# Altium PCB WeatherMonitor.PcbDoc (part 2 of 2)
Units mm, origin at the board's own origin, x right, y up, seen from the top; angles counter-clockwise.
Board outline 120 x 80 mm, 4 copper layers (Top Layer, gnd, vcc, Bottom Layer), stack 1.569 mm thick; 194 components, 159 nets, 694 pads, 236 vias.
Unrouted connection lines stored in the file: 1.
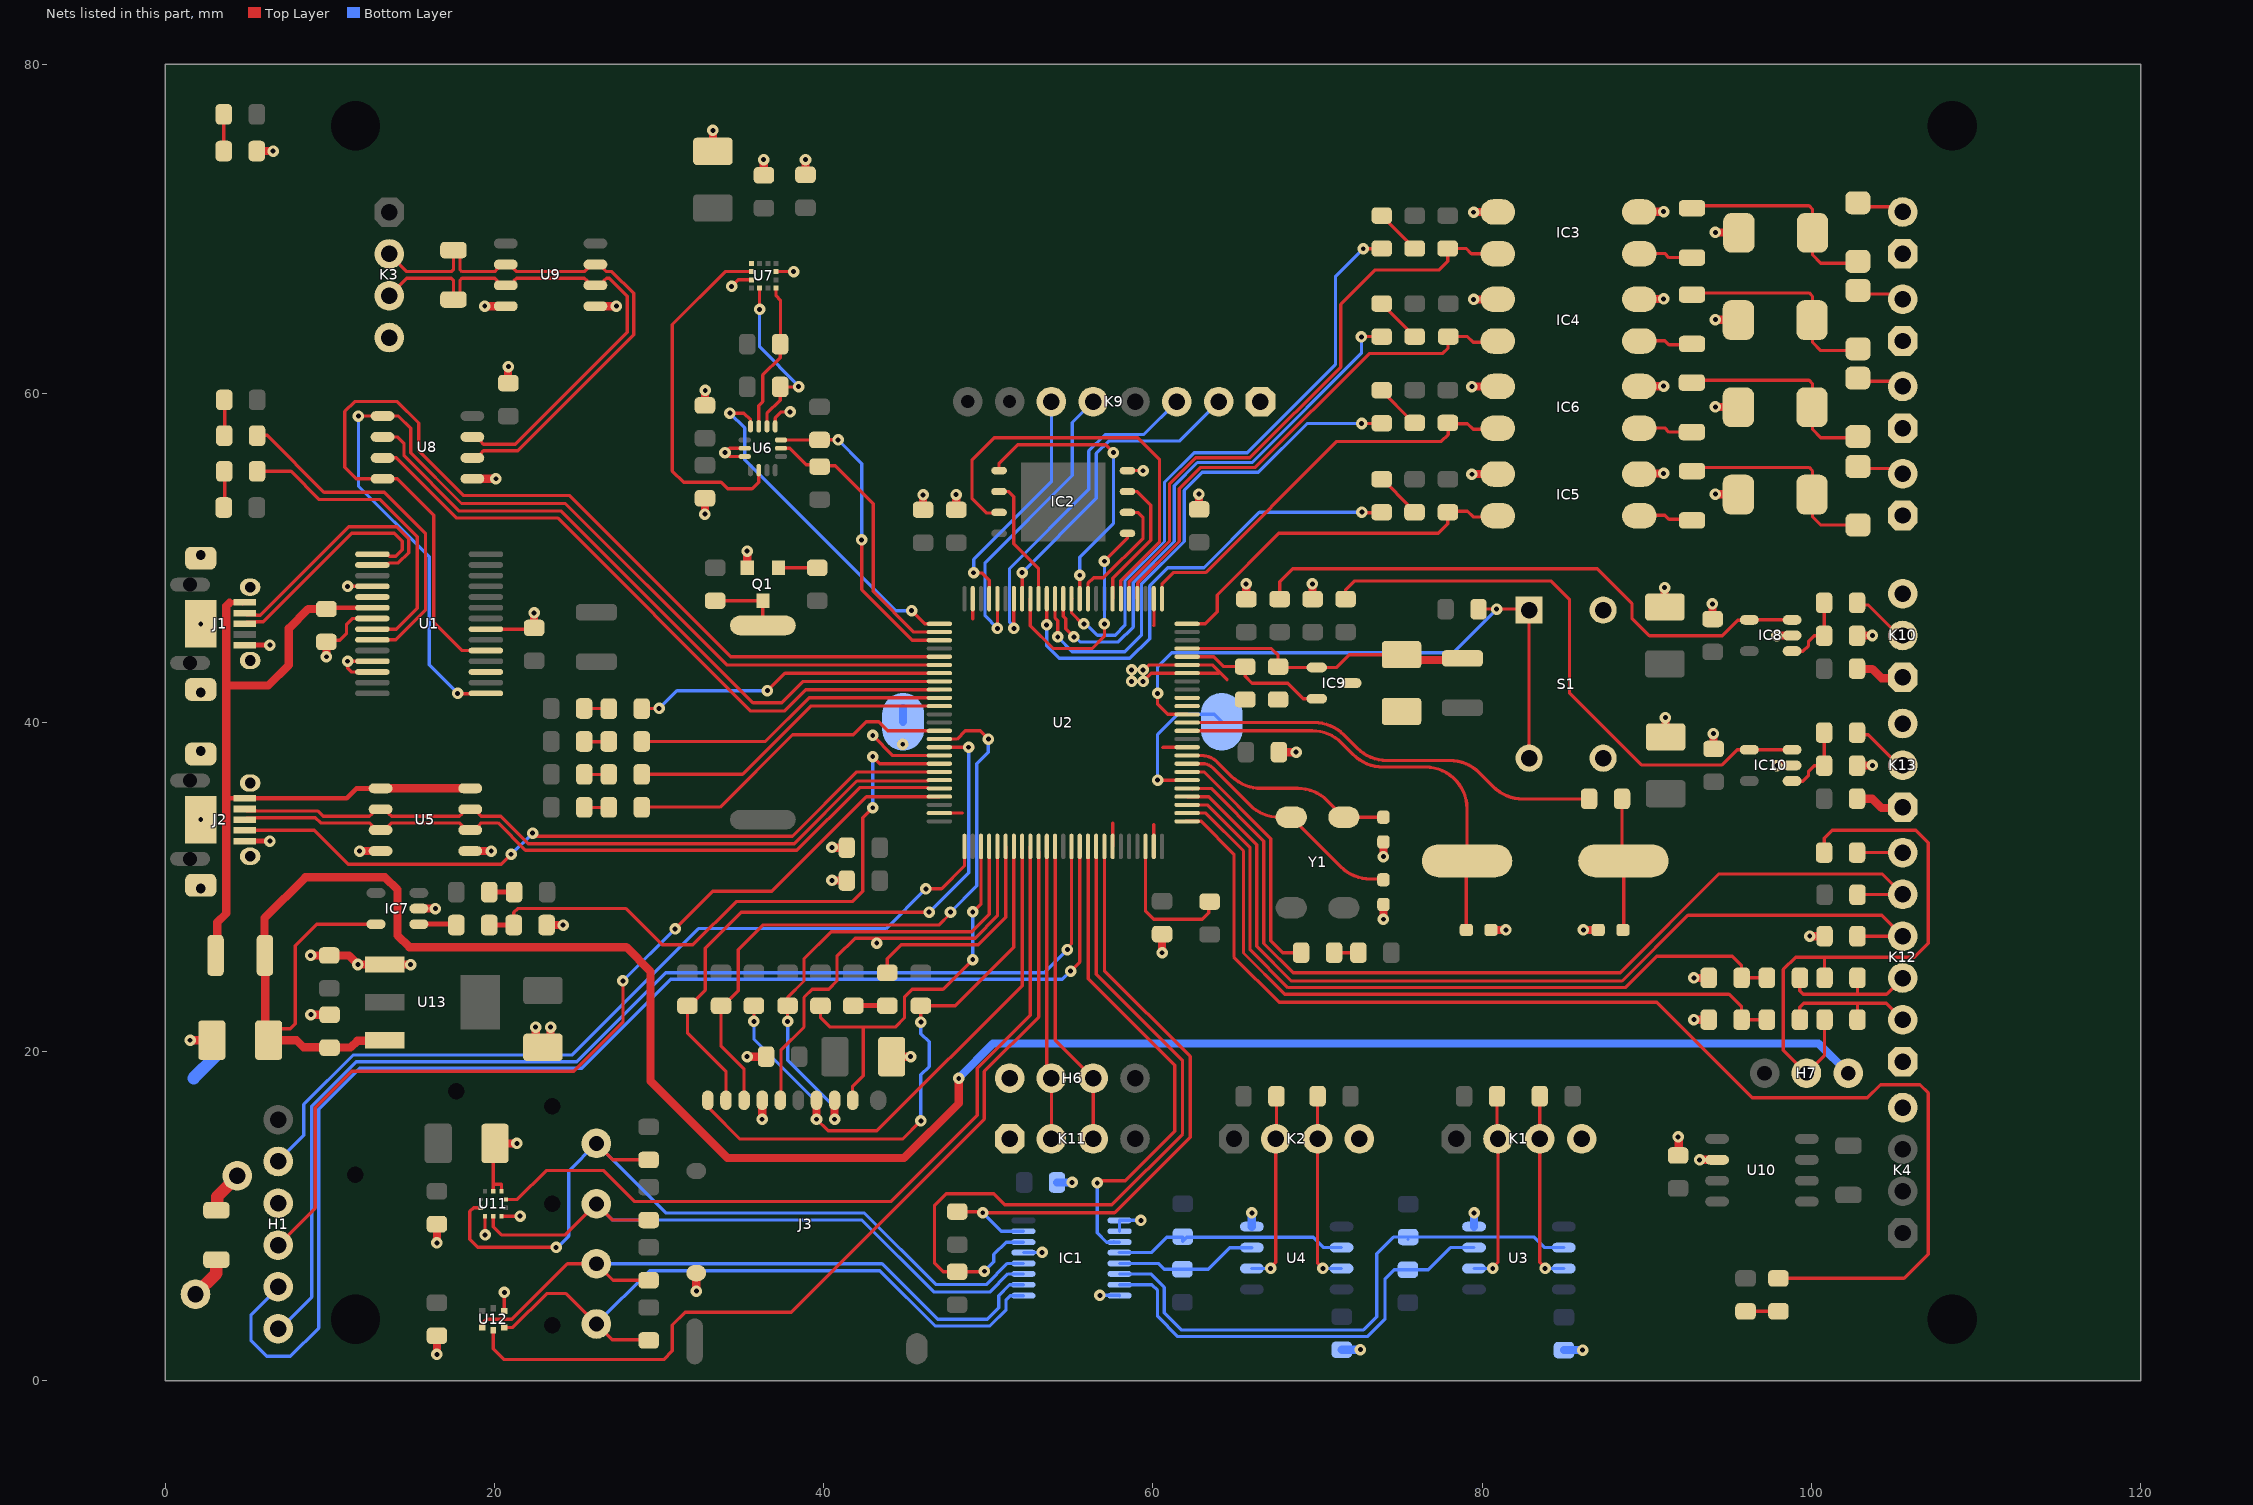
[diagram p4: the nets of this part, all layers, seen from the top]

## Via types
v1: diameter 0.7, hole 0.3, Top Layer to Bottom Layer, tented both sides, 236 vias

## Nets (pads, with @x,y where several pads share a name; then routed paths per layer and width w, separated by ;. In a path a pad name is that pad's centre, name@x,y a point inside that pad or via, vN(x,y) a via of type N, cw(c..) or ccw(c..) an arc to the next point about the centre after c; other vN are vias at no path point) (continued)
Gnd: C1.2 C2.1 C3.1 C4.2 C5.2 C6.2 C7.2 C8.2 C9.2 C10.2 C11.2 C12.2 C13.2 C14.2 C15.2 C16.2 C17.2 C18.2 C19.2 C20.2 C21.2 C22.2 C23.2 C24.2 C25.2 C26.2 C27.2 C28.2 C29.2 C30.2 C31.2 C32.2 C33.2 C34.2 C35.2 C36.2 C37.2 C38.2 C39.2 C40.2 C41.2 C42.2 C43.2 C44.2 D16.1 D17.1 D20.1 D21.1 H1.4 H6.1 IC1.1 IC1.2 IC1.8 IC1.13 IC2.4 IC3.2 IC3.3 IC4.2 IC4.3 IC5.2 IC5.3 IC6.2 IC6.3 IC7.2 IC8.2 IC9.3 IC10.2 J1.5 J2.5 J3.6 J3.9 K1.4 K2.4 K3.4 K4.4 K5.1 K6.1 K7.1 K8.1 K9.1 K10.3 K11.1 K12.1 K13.3 pad.1 Q1.2 R1.1 R55.2 R57.1 R63.1 R65.1 R71.1 S1.3 S1.4 U1.7 U1.18 U1.21 U1.25 U1.26 U2.10 U2.19 U2.20 U2.27 U2.49 U2.74 U2.94 U2.99 U3.4 U4.4 U5.4 U5.5 U6.1 U6.6 U6.7 U7.3 U7.9 U8.5 U9.4 U9.5 U10.2 U11.3 U11.5 U11.8 U11.9 U12.5 U13.1 U14.2 | length 146.4
  Top Layer w0.2: J2.5@4.825,32.8 J2.5@5.2,32.8 ; C17.2@9.782,45 10.6,45 11,45.4 11,45.939 11.386,46.325 U1.21@12.575,46.325 ; v1(11.075,48.275) 11.075,48.3 11.1,48.275 U1.18@12.575,48.275 ; U1.26@12.575,43.075 11.3,43.075 11.075,43.3 v1(11.075,43.725) 11.1,43.75 11.125,43.725 U1.25@12.575,43.725 ; v1(19.42,8.879) 19.42,9.08 19.4,9.1 19.41,9.1 19.42,9.11 U11.3@19.42,10.014 ; U1.7@19.475,45.675 19.475,45.625 19.5,45.6 19.575,45.675 22.328,45.675 C16.2@22.403,45.75 ; U11.9@19.92,11.539 19.92,12.1 19.92,12.9 19.92,14.326 C13.2@20.025,14.431 ; 19.943,11.943 20.42,11.943 U11.8@20.42,11.539 ; U11.5@20.42,10.014 v1(21.555,10.014) ; U12.5@20.595,4.25 v1(20.595,5.385) ; J3.9@32.259,6.557 J3.9@32.281,6.557 ; v1@32.784,52.565 v1(32.784,52.665) v1@32.784,52.75 ; v1@34.002,56.4 34.267,56.665 U6.6@35.2,56.665 ; v1@34.032,56.4 34.267,56.165 U6.7@35.2,56.165 ; v1(34.4,66.5) 34.8,66.9 U7.9@35.601,66.9 ; U6.1@37.05,57.995 37.05,58.509 37.415,58.873 v1@37.65,58.873 ; U7.3@37.101,67.4 v1(38.165,67.4) ; C41.2@38.875,73.305 38.89,73.29 C41.2@38.89,73.28 ; v1@40.5,32.4 v1(40.5,32.416) ; v1(46.035,53.827) v1@46.2,53.827 ; U2.74@47.025,34.5 48.431,34.5 ; 49.05,46.29 U2.49@49.05,47.525 ; U2.94@57.55,32.475 57.55,33.9 ; IC2.4@58.45,55.305 58.46,55.315 59.385,55.315 v1(59.4,55.3) ; v1(59.4,43.2) 59.385,43.213 59.481,43.213 59.767,43.5 U2.20@62.075,43.5 63.6,43.5 64.5,42.6 ; v1(59.4,42.5) 59.9,43 U2.19@62.075,43 64,43 ; U2.99@60.05,32.475 60.05,33.8 ; 60.05,45.9 60.066,45.916 60.066,46.823 60.06,46.83 U2.27@60.06,47.593 ; U2.27@60.05,47.525 60.05,47.584 U2.27@60.06,47.593 ; U2.27@60.066,47.6 U2.27@60.06,47.593 ; 60.6,38.482 60.618,38.5 U2.10@62.075,38.5 ; v1(65.66,48.426) v1@65.7,48.426
  Top Layer w0.3: J2.5@5.2,32.8 v1(6.349,32.8) ; J1.5@5.2,44.7 v1(6.349,44.7)
  Top Layer w0.5: v1(1.5,20.701) 2.699,20.701 2.7,20.7 2.701,20.701 C25.2@2.824,20.701 ; C1.2@1.83,5.269 1.83,5.312 C1.2@1.897,5.378 ; R71.1@5.549,74.723 v1(6.549,74.723) ; v1@8.823,22.2 v1@8.838,22.215 ; v1(8.823,25.851) 11.149,25.851 v1(11.7,25.301) 11.701,25.301 U13.1@13.32,25.301 13.899,25.301 U13.1@13.9,25.3 ; v1(8.838,22.251) v1@8.838,22.215 ; v1(9.782,44) C17.2@9.782,44.9 C17.2@9.782,45 ; C26.2@9.973,22.251 8.874,22.251 v1@8.838,22.215 ; v1(11.8,32.195) U5.4@13.4,32.195 ; U13.1@13.901,25.301 v1(14.9,25.3) ; IC7.2@15.4,28.7 v1(16.4,28.7) ; v1(16.5,1.615) C22.2@16.5,2.75 ; v1(16.5,8.392) C9.2@16.5,9.526 ; U5.5@18.2,32.195 v1(19.8,32.195) ; U8.5@18.65,54.811 v1(20.075,54.811) ; v1(19.403,65.295) U9.4@20.678,65.295 U9.4@21.003,65.295 ; C13.2@20.025,14.431 v1(21.36,14.431) ; C24.2@20.838,60.621 20.823,60.636 20.823,61.5 20.838,61.515 v1(20.838,61.621) ; C16.2@22.403,45.75 v1(22.403,46.657) ; v1(22.5,21.5) 22.5,20.713 C27.2@22.938,20.275 23.4,20.737 v1(23.4,21.5) ; R55.2@23.163,27.7 v1(24.163,27.7) ; U9.5@25.803,65.295 U9.5@26.128,65.295 v1(27.403,65.295) ; v1(32.259,5.458) J3.9@32.259,6.557 ; v1@32.784,52.75 C38.2@32.784,53.63 ; C39.2@32.784,59.269 32.792,59.277 32.792,60.177 v1(32.8,60.185) ; C42.2@33.265,74.725 v1(33.265,75.979) ; C42.2@33.265,74.704 C42.2@33.265,74.725 ; v1(35.343,19.7) C12.2@36.5,19.7 ; v1(35.343,50.422) 35.347,50.418 35.347,49.518 35.4,49.464 35.35,49.414 Q1.2@35.35,49.4 ; v1(36.259,15.9) J3.6@36.259,17.057 36.297,17.019 36.297,16.703 J3.6@36.3,16.7 ; v1(36.35,74.2) 36.358,74.192 36.358,73.262 C40.2@36.365,73.255 ; C41.2@38.875,73.305 38.89,73.321 v1(38.89,74.2) ; v1(40.5,30.416) 40.5,30.45 40.542,30.408 41.392,30.408 C33.2@41.4,30.4 ; v1@40.5,32.4 C32.2@41.4,32.4 ; C15.2@44.125,19.7 v1(45.282,19.7) ; C20.2@46.035,52.926 v1(46.035,53.827) ; v1(48.035,53.852) 48.042,53.844 48.042,52.933 C34.2@48.05,52.926 ; v1(60.55,26.015) 60.505,26.015 60.5,26.02 60.55,26.07 C37.2@60.55,27.15 ; v1(62.785,53.877) 62.785,53.867 62.8,53.852 C35.2@62.8,52.951 ; C18.2@65.675,47.5 65.667,47.508 65.667,48.393 v1@65.7,48.426 ; C36.2@67.65,38.2 v1(68.7,38.2) ; v1@69.692,48.418 69.692,47.508 C43.2@69.7,47.5 ; v1(74,28.05) C2.1@74,28.95 ; v1(74,31.85) C3.1@74,32.75 ; C29.2@74.6,40.175 C29.2@75.1,40.675 C29.2@75.6,40.175 ; v1@79.474,55.084 IC5.3@80.95,55.1 ; v1@79.474,60.405 IC6.3@80.95,60.421 ; v1(79.474,65.705) IC4.3@80.95,65.72 ; v1(79.474,71.005) 79.482,71.012 80.942,71.012 IC3.3@80.95,71.02 ; C4.2@80.535,27.4 v1(81.435,27.4) ; v1(86.15,27.4) C5.2@87.05,27.4 ; IC5.2@89.558,55.128 v1@91.018,55.128 ; IC6.2@89.558,60.429 v1@91.018,60.429 ; IC4.2@89.558,65.728 v1@91.018,65.728 ; IC3.2@89.558,71.028 v1@91.018,71.028 ; v1(91.084,48.201) 91.084,47.031 C31.2@91.1,47.015 ; v1(91.132,40.302) 91.132,39.141 C14.2@91.147,39.125 ; C21.2@91.9,13.7 91.942,13.742 91.942,14.706 91.9,14.748 v1(91.9,14.835) ; v1(92.86,21.949) R65.1@93.76,21.949 ; v1(92.86,24.489) 92.86,24.5 92.871,24.489 R63.1@93.76,24.489 ; v1(93.215,13.435) U10.2@94.275,13.435 U10.2@94.65,13.435 ; v1(93.985,47.216) 93.992,47.208 93.992,46.298 C23.2@94,46.29 ; v1(94.051,39.326) 94.058,39.319 94.058,38.408 C11.2@94.066,38.4 ; v1@94.191,53.868 D20.1@95.581,53.868 ; v1@94.191,59.168 D21.1@95.581,59.168 ; v1@94.191,64.468 D17.1@95.581,64.468 ; v1@94.191,69.767 D16.1@95.581,69.767 ; v1(97.904,45.275) 97.92,45.29 IC8.2@98.83,45.29 ; v1@97.92,37.4 IC10.2@98.83,37.4 ; v1(99.9,27.02) R57.1@100.8,27.02 ; C44.2@102.775,37.385 102.782,37.393 103.693,37.393 v1(103.701,37.4) ; C19.2@102.775,45.275 102.782,45.282 103.693,45.282 v1(103.701,45.29)
  Top Layer w0.75: C1.2@1.83,5.269 3.1,6.539 R1.1@3.1,7.369
  Bottom Layer w0.2: v1(32.259,5.458) 32.259,5.582 v1@32.35,5.673 ; v1(40.5,32.416) v1@40.5,32.5 ; IC1.13@52.129,7.8 53.5,7.8 v1@53.516,7.816 ; v1@55.294,12.059 v1@55.294,12.085 ; v1(56.773,5.2) 57.954,5.2 IC1.8@57.971,5.183 ; IC1.2@57.971,9.095 IC1.1@57.971,9.755 59.226,9.755 v1@59.271,9.8
  Bottom Layer w0.5: v1@22.5,21.4 v1(22.5,21.5) ; U14.2@44.82,40.05 U14.2@44.82,40.883 ; C6.2@54.17,12.059 v1(55.094,12.059) 55.169,12.059 v1@55.194,12.085 ; v1(59.271,9.755) v1@59.271,9.8 ; U4.4@66.007,9.374 v1(66.007,10.209) ; C7.2@71.47,1.9 v1(72.605,1.9) ; U3.4@79.507,9.374 v1(79.507,10.209) ; C8.2@84.97,1.875 v1(86.105,1.875)
  other v1: 53.26,7.816 97.904,37.385 44.8,38.682 58.7,42.5 58.7,43.2 69.685,48.426 94.174,53.885 79.374,55.085 91.026,55.136 34,56.4 37.95,58.873 94.174,59.185 94.174,59.185 79.374,60.405 91.026,60.436 94.174,64.484 94.174,64.485 91.026,65.736 94.174,69.784 94.174,69.785 91.026,71.035 91.026,71.035
GPIO_IN1: IC3.4 R43.1 U2.30 | length 36.7
  Top Layer w0.2: U2.30@58.55,47.525 58.55,48.55 61,51 61,54.481 62.6,56.081 65.881,56.081 71.4,61.6 71.4,65.4 73.5,67.5 77.4,67.5 77.916,68.016 77.916,68.8 79.03,68.8 79.35,68.48 IC3.4@80.95,68.48
GPIO_IN2: IC4.4 R44.1 U2.29 | length 31.7
  Top Layer w0.2: U2.29@59.05,47.525 59.05,48.189 59.081,48.219 59.081,48.481 61.6,51 61.6,54.2 62.9,55.5 66.209,55.5 73.128,62.419 77.589,62.419 77.925,62.755 R44.1@77.925,63.65 ; R44.1@77.943,63.45 79.109,63.45 79.449,63.111 80.88,63.111 IC4.4@80.95,63.18
GPIO_IN3: IC6.4 R49.1 U2.26 | length 26
  Top Layer w0.2: U2.26@60.55,47.525 60.55,48.44 61.225,49.115 63.195,49.115 71.161,57.081 77.516,57.081 77.934,57.499 R49.1@77.934,58.391 ; R49.1@77.943,58.151 79.109,58.151 79.449,57.811 IC6.4@80.88,57.811
GPIO_IN4: IC5.4 R48.1 U2.25 | length 22.8
  Top Layer w0.2: U2.25@62.075,46 62.4,46 63.175,46 63.9,46.725 63.9,47.75 67.65,51.5 77.335,51.5 77.916,52.081 R48.1@77.916,52.851 ; R48.1@77.943,52.83 79.109,52.83 79.449,52.49 IC5.4@80.88,52.49
HTS221_DRDY: U2.85 U12.3 | length 56.1
  Top Layer w0.2: U12.3@19.92,3.075 19.92,1.957 20.577,1.3 30.277,1.3 30.8,1.823 30.8,3.4 31.581,4.181 38.021,4.181 49.749,15.91 49.749,18.804 53.054,22.11 53.054,32.195 53.05,32.199 U2.85@53.05,32.475
I2C1_CLK: IC1.14 R16.2 U2.92 | length 47.5
  Top Layer w0.2: R16.2@47.836,6.658 48.4,6.658 R16.2@48.476,6.734 ; R16.2@48.1,6.634 47.261,6.634 46.725,7.169 46.725,10.655 47.45,11.38 50.32,11.38 51,10.7 57.5,10.7 61.8,15 61.8,19.465 56.55,24.715 U2.92@56.55,32.475 ; R16.2@48.7,6.634 v1@49.844,6.634
  Bottom Layer w0.2: v1@49.66,6.564 v1(49.76,6.664) 50.334,7.239 50.334,7.689 51.08,8.435 IC1.14@52.129,8.435
I2C1_DATA: IC1.15 R14.2 U2.93 | length 38.6
  Top Layer w0.2: R14.2@48.709,10.289 v1@49.844,10.289 ; v1@49.844,10.389 49.674,10.219 57.668,10.219 62.263,14.814 62.263,19.716 57.05,24.929 U2.93@57.05,32.475
  Bottom Layer w0.2: v1(49.66,10.219) 50.784,9.095 IC1.15@52.129,9.095
I2C2_CLK: R29.1 U2.52 U6.13 | length 17.5
  Top Layer w0.2: U6.13@37.4,56.665 37.935,56.665 38.935,55.665 39.75,55.665 39.75,55.596 40.704,55.596 43.003,53.297 43.003,47.972 45.475,45.5 47.075,45.5 U2.52@47.025,45.5
I2C2_DATA: R31.1 U2.53 U6.14 | length 19.4
  Top Layer w0.2: U6.14@37.4,57.165 39.75,57.165 39.76,57.175 40.857,57.175 40.866,57.166 v1(40.875,57.175) ; v1@42.3,51.3 v1(42.3,51.1) 42.3,48.078 45.378,45 U2.53@47.025,45
  Bottom Layer w0.2: v1(40.875,57.175) 40.866,57.166 42.3,55.732 v1(42.3,51.1)
I2C3_CLK: U2.15
I2C3_SDA: U2.16
LED_CAN_LIVE: D6.2 U2.1 | length 75.8
  Top Layer w0.2: U2.1@62.075,34 62,34 62.926,34 64.922,32.004 64.922,25.753 67.675,23 90.6,23 96.4,17.2 103.4,17.2 104.2,18 106.6,18 107.1,17.5 107.1,7.704 105.628,6.233 D6.2@98,6.233
LED_IN1_LIVE: D11.2 U2.37 | length 36.9
  Top Layer w0.2: U2.37@55.06,47.515 U2.37@55.05,47.525 55.05,46.668 55.718,46 v1(55.8,46) ; v1(72.774,68.785) 72.782,68.792 73.892,68.792 D11.2@73.9,68.8
  Bottom Layer w0.2: v1(55.8,46) 55.875,46 55.9,46.025 56.625,45.3 57.7,45.3 58.3,45.9 58.3,48.6 60.7,51 60.7,54.6 62.5,56.4 65.732,56.4 71.084,61.752 71.084,67.095 v1(72.774,68.785)
LED_IN2_LIVE: D9.2 U2.38 | length 33.2
  Top Layer w0.2: U2.38@54.55,47.525 54.55,46.457 54.7,46.307 54.7,45.7 v1(55.2,45.2) ; v1(72.666,63.435) D9.2@73.892,63.45
  Bottom Layer w0.2: v1(55.2,45.2) 55.267,45.2 55.567,44.9 57.9,44.9 58.8,45.8 58.8,48.5 61.3,51 61.3,54.4 62.7,55.8 66.031,55.8 72.666,62.435 v1(72.666,63.435)
LED_IN3_LIVE: D8.2 U2.39 | length 32.3
  Top Layer w0.2: U2.39@54.05,47.525 54.05,46.35 54.215,46.185 v1(54.215,45.2) ; v1(72.674,58.169) 72.559,58.169 72.555,58.165 73.881,58.165 D8.2@73.9,58.185
  Bottom Layer w0.2: v1(54.215,45.2) 54.2,45.2 55.1,44.3 58.3,44.3 59.3,45.3 59.3,48.4 61.9,51 61.9,54.1 63,55.2 66.4,55.2 69.369,58.169 72.559,58.169 v1@72.774,58.385
LED_IN4_LIVE: D7.2 U2.40 | length 29.2
  Top Layer w0.2: v1(53.541,45.939) 53.541,45.909 53.55,45.9 U2.40@53.55,47.525 ; v1(72.692,52.78) 72.718,52.755 73.908,52.755 73.892,52.77 D7.2@73.892,52.78
  Bottom Layer w0.2: v1(53.541,45.939) 53.54,44.66 54.3,43.9 58.6,43.9 59.8,45.1 59.8,48.3 60.9,49.4 63.1,49.4 66.47,52.77 v1@72.692,52.77
LED_MCU_LIVE: D1.2 U2.61 | length 19.8
  Top Layer w0.2: D1.2@28.939,36.85 28.949,36.85 28.964,36.865 35.065,36.865 39.2,41 U2.61@47.025,41
LED_RTOS_LIVE: D2.2 U2.60 | length 19.2
  Top Layer w0.2: D2.2@28.939,38.85 36.455,38.85 39.105,41.5 U2.60@47.025,41.5
LED_SD_LIVE: D3.2 U2.81 | length 13.6
  Top Layer w0.2: D3.2@43.8,24.6 43.859,24.659 D3.2@43.859,24.799 43.859,25.659 44.7,26.5 49.38,26.5 51.05,28.17 U2.81@51.05,32.475
LED_USART3_LIVE: D5.2 U2.57 | length 19
  Top Layer w0.2: D5.2@28.939,40.841 28.954,40.856 v1(30,40.856) ; v1(36.578,41.939) 37.639,43 U2.57@47.025,43
  Bottom Layer w0.2: v1(30,40.856) 31.083,41.939 v1(36.578,41.939)
LED_USB_LIVE: D4.2 U2.64 | length 20.5
  Top Layer w0.2: D4.2@28.939,34.85 28.949,34.85 28.964,34.865 33.698,34.865 38.1,39.267 41.789,39.267 42.572,40.05 43.337,40.05 43.887,39.5 U2.64@47.025,39.5
LIS3M_INT: U7.7
LPS22_DRDY: U2.84 U11.7 | length 50
  Top Layer w0.2: U11.7@20.683,11.026 21.38,11.026 23.135,12.781 26.638,12.781 28.519,10.9 44.083,10.9 49.329,16.146 49.329,19.002 52.55,22.223 U2.84@52.55,32.475
LSM6D_INT1: U2.51 U6.4 | length 21.1
  Top Layer w0.2: v1(34.3,58.8) 35.15,58.8 35.55,58.4 35.55,58.045 35.5,57.995 U6.4@35.55,57.995 ; v1(45.339,46.799) 46.138,46 47,46 U2.51@47.025,46
  Bottom Layer w0.2: v1(34.3,58.8) 35.2,57.9 35.2,55.965 44.366,46.799 v1(45.339,46.799)
LSM6D_INT2: U6.9 U7.8 | length 21.6
  Top Layer w0.2: U7.8@35.601,67.4 34.017,67.4 30.8,64.183 30.8,55.28 31.484,54.596 33.759,54.596 34.155,54.2 35.646,54.2 36.05,54.604 U6.9@36.05,55.335
LSM6D_SCx: R32.1 U6.3 U7.1 | length 9.1
  Top Layer w0.2: U6.3@36.05,57.995 36.05,58.065 36.085,58.1 36.05,58.135 36.05,59.25 36.3,59.5 36.3,61.12 37.35,62.17 R32.1@37.35,62.991 37.367,63.008 37.367,65.665 37.101,65.931 37.101,66.373 37.076,66.397 37.079,66.4 U7.1@37.101,66.4
LSM6D_SDx: R33.1 U6.2 U7.11 | length 11.2
  Top Layer w0.2: v1(36.101,65.1) U7.11@36.101,66.4 ; U6.2@36.532,57.9 36.55,57.918 U6.2@36.55,57.995 36.55,58.783 37.351,59.583 R33.1@37.351,60.391 38.454,60.391 v1(38.468,60.405)
  Bottom Layer w0.2: v1(36.101,65.1) 36.101,62.82 38.492,60.429 v1(38.468,60.405) v1@38.168,60.405
Lx_SC0: K1.2 R11.1 U3.2 | length 11.7
  Top Layer w0.2: v1(80.641,6.834) 80.641,6.881 80.962,7.202 K1.2@80.962,14.706 80.9,14.768 R11.1@80.9,17.291
  Bottom Layer w0.2: U3.2@79.507,6.834 v1(80.641,6.834)
Lx_SC1: K2.2 R9.2 U4.2 | length 11.7
  Top Layer w0.2: v1(67.141,6.834) 67.141,6.881 67.462,7.202 ; 67.462,7.231 K2.2@67.462,14.706 67.5,14.744 67.5,17.282 R9.2@67.5,17.291
  Bottom Layer w0.2: U4.2@66.007,6.834 v1(67.141,6.834)
Ly_SD0: K1.3 R10.1 U3.7 | length 11.7
  Top Layer w0.2: R10.1@83.5,17.3 83.5,14.708 K1.3@83.502,14.706 83.502,7.202 83.822,6.881 v1(83.822,6.834)
  Bottom Layer w0.2: v1(83.822,6.834) U3.7@84.957,6.834
Ly_SD1: K2.3 R8.2 U4.7 | length 11.7
  Top Layer w0.2: R8.2@70,17.3 70,14.708 K2.3@70.002,14.706 70.002,7.155 v1(70.322,6.834)
  Bottom Layer w0.2: v1(70.322,6.834) U4.7@71.457,6.834
"MCU JTRST": H1.2 U2.90 | length 79.4
  Top Layer w0.2: v1(55,24.9) 55.55,25.45 U2.90@55.55,32.475
  Bottom Layer w0.2: H1.2@6.849,5.716 6.849,5.649 5.2,4 5.2,2.464 6.164,1.5 7.6,1.5 9.317,3.217 9.317,16.517 11.8,19 25.3,19 30.7,24.4 54.5,24.4 v1(55,24.9)
"MCU SWDCLK/TCK": H1.5 U2.76 | length 51.4
  Top Layer w0.2: v1(46.2,29.9) 47.156,29.9 48.55,31.294 U2.76@48.55,32.475
  Bottom Layer w0.2: H1.5@6.849,13.336 6.849,13.384 8.4,14.935 8.4,16.8 11.4,19.8 24.7,19.8 32.385,27.485 43.785,27.485 v1(46.2,29.9)
"MCU SWDIO/TMS": H1.3 U2.72 | length 56.8
  Top Layer w0.2: H1.3@6.849,8.256 9.1,10.507 9.1,16.6 11.315,18.815 24.815,18.815 27.8,21.8 v1(27.8,24.3) ; v1(30.971,27.471) 33.26,29.76 36.852,29.76 42.592,35.5 U2.72@47.025,35.5
  Bottom Layer w0.2: v1@28,24.48 27.82,24.3 v1(27.8,24.3) v1(30.971,27.471)
"MCU TDO (SWO)": H1.1 U2.89 | length 70.7
  Top Layer w0.2: v1(54.8,26.2) 54.8,26.317 55.05,26.567 U2.89@55.05,32.475
  Bottom Layer w0.2: H1.1@6.849,3.176 6.976,3.176 8.9,5.1 8.9,16.7 11.6,19.4 25,19.4 30.4,24.8 53.4,24.8 v1(54.8,26.2)
NetC5_1: C5.1 J4.2 R47.2 | length 8
  Top Layer w0.2: R47.2@88.497,35.366 88.497,31.805 ccw(c88.849,31.805) 88.6,31.556 88.6,27.4 C5.1@88.55,27.4
NetC19_1: C19.1 IC8.1 R56.1 | length 4.5
  Top Layer w0.2: IC8.1@98.8,44.315 IC8.1@98.816,44.331 ; IC8.1@98.83,44.34 98.825,44.34 IC8.1@98.816,44.331 ; R56.1@100.775,47.275 100.775,47.266 C19.1@100.775,45.275 100.164,45.275 99.832,44.942 99.832,44.676 99.486,44.331 IC8.1@98.816,44.331
NetC44_1: C44.1 IC10.1 R69.1 | length 4.5
  Top Layer w0.2: IC10.1@98.816,36.441 99.486,36.441 99.832,36.786 99.832,37.052 100.164,37.385 C44.1@100.775,37.385 ; C44.1@100.775,37.385 R69.1@100.775,39.376
NetD1_1: D1.1 R2.2 | length 1.5
  Top Layer w0.2: R2.2@25.452,36.85 D1.1@26.939,36.85
NetD2_1: D2.1 R3.2 | length 1.5
  Top Layer w0.2: R3.2@25.439,38.85 25.439,38.841 26.93,38.841 D2.1@26.939,38.85
NetD3_1: D3.1 R12.2 | length 2.1
  Top Layer w0.3: R12.2@41.8,22.8 D3.1@43.859,22.799
NetD4_1: D4.1 R13.2 | length 1.5
  Top Layer w0.2: R13.2@25.452,34.85 25.452,34.841 26.93,34.841 D4.1@26.939,34.85
NetD5_1: D5.1 R15.2 | length 1.5
  Top Layer w0.2: R15.2@25.438,40.856 R15.2@25.6,40.856 ; R15.2@25.6,40.856 26.924,40.856 D5.1@26.939,40.841
NetD6_1: D6.1 R17.2 | length 2
  Top Layer w0.2: R17.2@96.1,4.228 97.996,4.228 D6.1@98,4.233
  Top Layer w0.5: R17.2@96,4.228 R17.2@96.1,4.228
NetD7_1: D7.1 R18.2 | length 2.5
  Top Layer w0.2: D7.1@73.9,54.83 R18.2@75.7,53.03
NetD8_1: D8.1 R19.2 | length 2.5
  Top Layer w0.2: D8.1@73.9,60.151 R19.2@75.7,58.351
NetD9_1: D9.1 R21.2 | length 2.5